# Allegro board LAY-31407_C2.brd (continued)
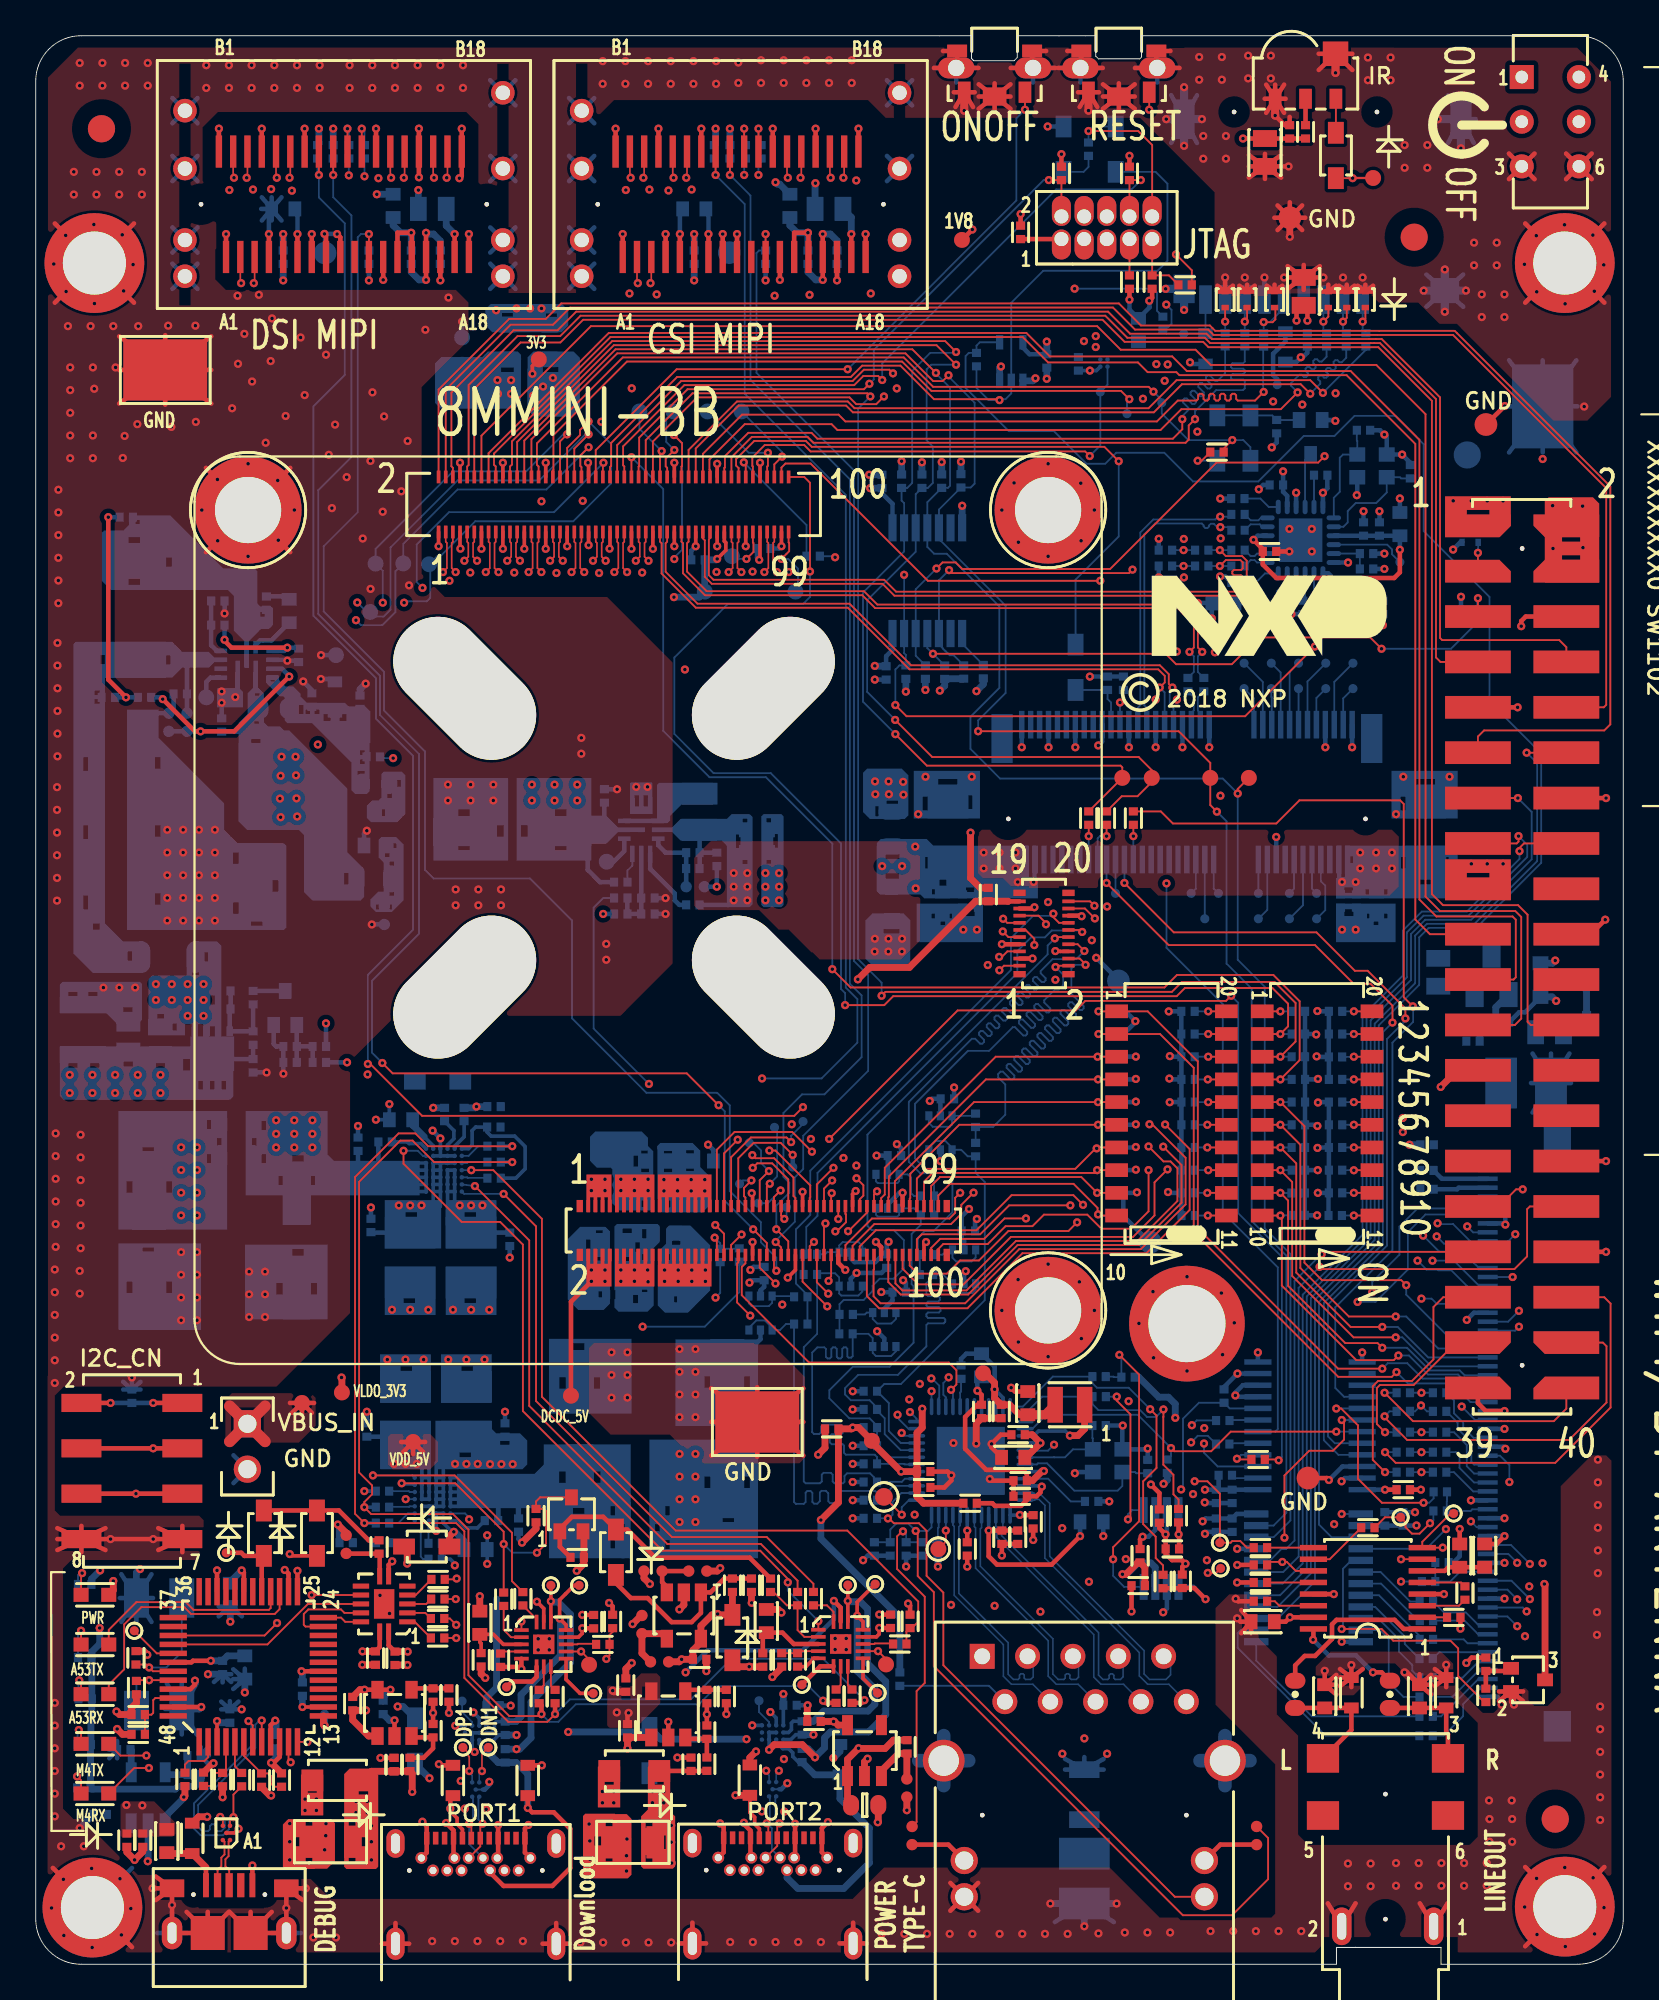
[diagram p0: board, top side]
## Routing (per net, layer and track width the routed paths; a pad name or vN(x,y) marks a point on that pad's centre or on a via; arc(x,y) is an arc through that point) (continued)
GND_CHASSIS: length 11.2
  BOTTOM w0.762: 49.45,11.4 J501.16 ; J501.16 50.85,10 ; J501.16 52.24,11.4 ; J501.16 50.85,12.8 ; 65.2,11.4 J501.15 ; J501.15 66.6,10 ; J501.15 66.6,12.8 ; J501.15 67.99,11.4
VBUS2_TH: length 10.6
  TOP w0.254: C341.1 R343.2 38.56,21.59 37.78,20.82 U311.1 37.25,19.67 36.73,19.15 35.61,19.15 34.26,20.5 33.32,20.5 32.49,21.33 D311.C
VBUS_DBG: length 3.5
  TOP w0.254: 9.53,5.43 J901.1
  TOP w0.381: L901.1 7.39,6.2 TVS901.2 9.53,5.43
VBUS_IN: length 13.5
  TOP w0.254: TP910.1 15.58,31.42 ; TP910.1 14.24,31.42 ; TP910.1 14.36,30.87 ; TP910.1 14.91,30.75 ; TP910.1 15.46,30.87
  TOP w0.635: 10.86,29.26 J101.1 ; J101.1 12.84,29.26 ; J101.1 12.84,31.24 ; J101.1 10.86,31.24
  L5_POWER_2 w0.635: J101.1 12.63,31.03 ; J101.1 11.08,31.03 ; J101.1 12.63,29.48
  BOTTOM w0.254: C105.1 11.43,68.99
  vias: v1(8.14,45.73) v1(8.14,44.46) v1(8.14,43.19) v1(8.14,41.92) v1(9.03,45.73) v1(9.03,44.46) v1(9.03,43.19) v1(9.03,41.92) v1(13.71,66.52) v1(13.68,65.25) v1(13.71,64.21) v1(13.77,67.59) v1(14.55,67.59) v1(14.58,66.55) v1(14.6,65.26) v1(14.64,64.25) v1(36.05,28.57) v1(36.05,27.3) v1(36.05,26.03) v1(36.05,24.76) v1(36.94,28.57) v1(36.94,27.3) v1(36.94,26.03) v1(36.94,24.76) v1(76.56,47.37) v1(76.56,46.58)
VBUS_USB_DBG: length 10.2
  TOP w0.203: U901.3 v1(10.15,13.61)
  TOP w0.254: U901.42 8.72,16.9 8.8,16.99 v1(9.8,16.99)
  TOP w0.381: v1(8.29,9.36) 8.36,9.42 R926.1 ; R924.1 v1(10.46,9.35) ; v1(4.56,13.17) 4.86,12.87 R904.1
  BOTTOM w0.381: v1(10.15,13.61) 10.25,13.52 C911.1 ; v1(8.29,9.36) 8.25,9.32 8.25,9.27 7.25,8.26 U903.1 ; C912.1 10.74,17.26 C910.1 v1(9.8,16.99)
  vias: v1(5.08,8.92) v1(5.97,8.89)
VCC: length 2.3
  TOP w0.254: J902.1 R920.2
VCC_3V3_FT: length 26.4
  TOP w0.203: U901.14 v1(14.94,14.4)
  TOP w0.254: v1(13.94,22.07) 14.16,21.86 U901.26 ; v1(13.18,11.28) 13.33,11.28 13.66,11.6 U901.10 ; U904.14 19.26,17.75 C915.1 ; v1(11.53,22.05) 11.65,21.92 U901.31
  TOP w0.381: R927.2 13.18,11.27 v1(13.18,11.28) ; C915.1 v1(18.3,17.51)
  BOTTOM w0.381: v1(13.18,11.28) 13.46,11.56 C914.1 ; R928.2 9.25,10.29 8.92,9.96 7.98,9.96 7.82,9.8 3.14,9.8 R903.2 3.07,12.27 R902.2 3.09,13.61 3.14,13.67 R915.2 3.14,17.14 R916.2 3.12,17.47 3.58,17.93 v1(3.58,18.82) ; C913.1 v1(14.94,14.4) ; C906.1 10.9,21.41 v1(11.53,22.05)
VCC_3V6: length 6.1
  TOP w0.254: v1(14.09,73.7) 10.96,73.7 10.57,74.08 v1(10.57,74.14)
  BOTTOM w0.254: R107.1 v1(10.57,74.14) ; C114.1 14.67,73.7 v1(14.09,73.7) 13.91,73.52 U101.9
VDD_1V8: length 122.6
  TOP w0.254: U904.1 19.76,17.86 C916.1 ; R917.1 v1(57.44,101.32) ; J801.A5 v1(13.86,96.85) ; J802.A5 v1(36.07,96.85) ; R918.1 v1(61.25,101.23) ; TP901.1 v1(52.45,97.1) ; J802.A6 v1(36.87,96.85) ; J801.A6 v1(14.66,96.85) ; R920.1 v1(55.15,97.97)
  TOP w0.381: C916.1 v1(20.83,17.5) ; v1(52.35,63.34) 52.35,60.8 52.89,60.25 R536.1
  L3_IN1 w0.381: v1(15.8,68.28) 15.8,58.78 9.98,52.96 9.98,33.86 14.1,29.74 14.1,24.59 17.22,21.46 17.22,19.4 19.12,17.5 v1(20.83,17.5)
  BOTTOM w0.254: v1(52.26,42.28) 51.85,41.87 C527.1 51.85,40.62 51.99,40.48 U507.5 ; U203.1 47.98,81.75 47.39,82.34 C219.1 ; v1(77.32,24.56) 77.32,24.56 C204.1 C201.1 U201.2 ; R805.1 v1(18.66,94.26) ; v1(50.07,48.33) 50.18,48.44 C525.1 50.66,48.43 U506.5 ; v1(14.66,96.85) 14.66,98.11 C801.1 ; v1(39.97,38.15) 40.1,38.29 C526.1 40.79,37.92 40.58,37.72 U505.5 ; C206.1 66.24,26.69 R209.1 ; C206.1 C205.1 U202.1 ; C206.1 v1(65.47,26.56) ; U503.5 45.64,39.51 45.85,39.3 47.01,39.3 47.45,39.73 C521.1 47.65,40.33 v1(47.76,40.44) ; D907.A v1(56.67,102.87) ; U204.5 55.28,90.49 55.65,90.12 C221.1 ; v1(47.35,37.63) 47.36,37.62 C522.1 47.98,37.15 47.52,36.7 U504.5 ; v1(47.09,45.26) C520.1 47.71,44.23 U502.5 ; v1(71.73,50.82) 71.76,50.79 R1101.2 ; C813.1 36.07,98.1 v1(36.07,96.85) ; R624.1 v1(75.52,78.96) ; R1107.2 72.41,50.79 R1101.2 ; R623.1 69.49,85.18 v1(69.22,84.91) ; v1(71.77,53.36) 71.79,53.34 R1103.2 R1105.2 72.41,52.07 R1101.2 ; v1(65.86,75.33) L602.1 v1(65.07,76.2) ; v1(76.39,82.05) L601.2 ; R604.1 v1(74.55,74.96) ; R802.1 v1(40.87,94.26)
  BOTTOM w0.381: R803.1 38.07,101.9 v1(38.07,102.75) ; R205.1 v1(49.62,84.07) ; C219.1 v1(46.73,82.63) ; R203.1 v1(50.73,84.09) ; v1(16.66,102.75) R801.1 ; R804.1 15.86,101.9 v1(15.86,102.75) ; R806.1 v1(38.87,102.75) ; R201.1 v1(48.49,84.13) ; R207.1 v1(51.81,84.11) ; R214.1 53.06,71.65 v1(52.68,71.26) ; v1(36.87,96.85) C805.1 ; C802.1 v1(13.86,96.85) ; C221.1 v1(56.62,90.83)
  vias: v1(35.21,38.86) v1(35.21,38.22) v1(35.98,38.86) v1(35.98,38.22) v1(36.74,38.86) v1(36.74,38.22) v1(37.5,38.86) v1(37.5,38.22)
VDD_3V3: length 68.8
  TOP w0.254: C403.1 69.99,19.18 v1(70.23,19.42) U401.15 ; R406.2 v1(67.28,21.37) ; R528.1 64.21,22.24 v1(64.39,22.42) 64.18,22.62 63.63,22.62 63.27,22.98 R527.1 63.27,24.06 v1(63.27,24.06) 62.92,24.41 C524.1 ; R344.1 48.96,20.08 v1(48.85,20.19) ; L401.2 v1(79.74,24.37) ; v1(6.58,31.42) J1004.1 ; C207.1 v1(75.56,26.56) ; R714.1 C707.1 C706.1 v1(67.6,102.2) ; v1(32.11,20.23) 32.31,20.03 R345.1 ; v1(4.19,31.42) J1004.2
  TOP w0.381: v1(25.17,16.03) 24.94,16.26 R349.1 ; R350.1 v1(39.95,16.65) 39.38,16.65 D310.A ; C506.1 55.46,28.37 v1(56.26,29.18) 55.8,29.64 C507.1
  BOTTOM w0.203: U501.4 v1(56.26,29.18)
  BOTTOM w0.254: R1135.2 72.4,43.16 R1117.2 ; R1123.2 64.16,50.79 R1125.2 ; R1123.2 R1121.2 R1119.2 63.45,53.34 v1(63.45,53.34) ; R1123.2 63.54,50.8 v1(63.51,50.83) ; v1(4.19,31.42) C1003.1 v1(6.58,31.42) ; R1127.2 R1125.2 ; R1127.2 63.51,48.26 v1(63.5,48.25) ; R1127.2 R1129.2 R1131.2 R1133.2 64.16,43.2 R1137.2 ; R1125.2 63.53,49.53 v1(63.48,49.58) ; U203.14 47.98,73.58 47.62,73.22 C220.1 ; U508.7 63.34,24.14 v1(63.27,24.06) ; R1004.2 79.38,22.49 79.74,22.85 v1(79.74,24.37) ; C207.1 v1(75.56,26.56) U202.24 ; R1113.2 R1111.2 R1109.2 71.83,48.26 v1(71.8,48.24) ; R1113.2 71.8,45.72 v1(71.78,45.7) ; R1113.2 R1115.2 R1117.2 ; R1137.2 63.45,43.18 v1(63.41,43.23) ; R1137.2 64.16,43.17 R1138.2 ; R134.1 v1(17.43,50.48) ; U202.23 73.31,27.21 v1(73.13,27.03) ; L501.1 v1(59.78,23.96) ; v1(65.34,24.79) 65.5,24.95 C203.1 C202.1 67.25,25.21 U201.24 ; R603.1 v1(75.44,74.96) ; R1117.2 v1(71.8,43.18) ; R113.1 v1(31.78,58.79)
  BOTTOM w0.381: R713.1 3.12,21.56 v1(3.61,22.05) ; C220.1 47.01,72.66 v1(46.99,72.68) ; R202.1 v1(48.73,71.24) ; R206.1 v1(49.82,71.33) ; v1(50.63,71.29) 50.9,71.56 R204.1 50.91,71.96 R208.1 ; v1(63.16,26.89) 63.36,27.1 R506.1
  vias: v1(25.86,88.67) v1(25.89,87.91) v1(26.62,88.67) v1(26.62,87.9) v1(35.18,43.92) v1(35.18,43.29) v1(35.94,43.92) v1(35.94,43.29) v1(36.7,43.92) v1(36.7,43.29) v1(37.46,43.92) v1(37.46,43.29) v1(47,66.21) v1(47.02,65.49) v1(47.76,66.21) v1(47.78,65.49) v1(48.57,66.19) v1(48.59,65.47) v1(62.75,89.57) v1(63.22,88.64) v1(63.39,89.55)
VDD_5V: length 44.1
  TOP w0.203: U303.12 30.39,18.31 30.61,18.52 v1(30.61,18.81) ; v1(47.23,18.83) 47.23,18.49 47.08,18.33 U306.12
  TOP w0.254: v1(33.2,14.07) 33.14,14.01 R320.1 ; C320.2 v1(30.61,18.81) ; R318.1 v1(38.67,14) ; J802.A17 v1(45.67,96.85) ; 21.13,28.56 TP102.1 ; TP102.1 21.81,29.24 ; TP102.1 21.69,28.68 ; TP102.1 20.46,29.24 ; TP102.1 20.58,28.68 ; C336.2 v1(47.23,18.83) ; R304.1 v1(23.14,14.07) ; J801.A17 v1(23.46,96.85) ; J802.A16 v1(44.87,94.26) ; v1(19.86,15.37) U301.5 v1(18.41,15.37) ; J801.A16 v1(22.66,94.26)
  TOP w0.381: v1(32.31,15.32) 32.37,15.25 C343.1 ; R307.1 18.16,15.37 v1(18.41,15.37)
  BOTTOM w0.203: 21.63,28.74 U302.G2 ; U302.G2 U302.F2 U302.E2 U302.D2 U302.D3 U302.E3 U302.F3 U302.G3 ; U302.G2 U302.G3 ; 23.46,41.75 U305.G2 ; U305.G2 U305.G3 ; U305.G2 U305.F2 U305.E2 U305.D2 U305.D3 U305.E3 U305.F3 U305.G3 ; U302.G3 22.03,29.14 ; U305.G3 23.06,41.35
  BOTTOM w0.254: C159.1 C141.1 10.02,50.67 Q101.5 ; C313.1 C311.1 ; C807.1 v1(44.87,94.26) ; C329.1 C327.1 ; C804.1 v1(22.66,94.26)
  BOTTOM w0.381: C342.1 19.46,14.96 v1(19.86,15.37) ; C812.1 22.99,97.32 v1(23.46,96.85) ; v1(45.67,96.85) 45.67,97.79 C815.1
  vias: v1(1.91,49.78) v1(1.91,48.77) v1(3.17,49.78) v1(3.17,48.77) v1(4.45,49.78) v1(4.45,48.77) v1(5.71,49.78) v1(5.71,48.77) v1(6.99,49.78) v1(6.99,48.77) v1(20.07,28.01) v1(20.7,28.01) v1(21.34,28.01) v1(23.75,42.48) v1(24.38,42.48) v1(25.02,42.48) v1(32.54,14.1) v1(84.94,81.64) v1(84.96,79.25) v1(86.62,81.62) v1(86.64,79.29)
VDDEXT_3V3: length 5.7
  TOP w0.203: TP104.1 27.81,89.47 v1(27.81,89.03)
  BOTTOM w0.254: R110.1 L102.2 ; R110.1 C118.1 ; R110.1 C121.1 ; C122.2 38.83,59.3
  vias: v1(27.86,87.8) v1(28.41,88.31) v1(28.96,88.8) v1(39.09,61.08) v1(39.09,60.32) v1(39.09,59.55) v1(39.85,61.08) v1(39.85,60.32) v1(39.85,59.55) v1(46.99,57.4) v1(46.98,56.69) v1(47.75,57.4) v1(47.74,56.69) v1(48.51,57.4) v1(48.5,56.69)
3483_EN_SNK1: length 18.7
  TOP w0.102: v1(20.49,26.92) 23.49,26.92 26.21,24.21 v1(26.21,23.52) R342.2 ; Q301.3 28.24,26.14 28.02,25.91 R333.1 28.46,25.49 28.57,25.37 28.57,23.55 v1(28.07,23.04)
  BOTTOM w0.102: v1(26.21,23.52) 26.69,23.04 v1(28.07,23.04) ; U302.F1 20.58,26.84 v1(20.49,26.92)
3483_EN_SNK2: length 34
  TOP w0.102: v1(24.59,43.56) 27.64,40.52 27.64,31.26 35.37,23.53 40.61,23.53 42.66,21.47 R335.2
  BOTTOM w0.102: U305.F1 v1(24.59,43.56)
AUD_NMUTE: length 14.2
  TOP w0.102: U401.11 70.56,22.02 70.06,22.52 v1(69.81,22.52) 69.12,22.52 R405.1 ; v1(69.93,23.88) 69.93,27.36 71.31,28.74 72.64,28.74 73.26,29.36 73.26,30.34 v1(73.13,30.46)
  L3_IN1 w0.127: v1(69.81,22.52) 69.93,22.64 v1(69.93,23.88)
  BOTTOM w0.102: U202.18 v1(73.13,30.46)
AUD_NMUTE_LV: length 104.9
  TOP w0.102: v1(61.24,87.6) 60.78,88.07 50.16,88.07 48.51,89.71 33.11,89.71 28.99,85.6 28.99,83.64 28.96,83.61 J201.34
  L3_IN1 w0.127: v1(61.24,87.6) 61.8,87.05 62.85,87.05 65.78,84.11 65.78,83.41 60.97,78.61 60.97,75.17 61.91,74.23 61.91,61.91 v1(63.32,60.5)
  BOTTOM w0.102: TP222.1 61.11,87.47 v1(61.24,87.6) ; v1(63.32,60.5) 63.32,56.9 66.47,53.75 66.47,42.09 69.56,39 69.56,29.96 69.41,29.81 U202.6
BOOT_MODE0: length 51.7
  TOP w0.102: v1(59.61,77.44) 49.96,77.44 43.39,84 41.98,84 41.76,83.78 J201.98 ; SW1101.1 v1(69.7,53.34)
  L3_IN1 w0.127: v1(69.7,53.34) 68.78,53.34 60.76,61.36 60.76,69.75 59.61,70.89 v1(59.61,77.44)
  BOTTOM w0.102: R1104.1 v1(69.7,53.34)
BOOT_MODE1: length 71.1
  TOP w0.102: SW1101.2 v1(69.7,52.07) 70.13,52.5 70.13,53.77 69.25,54.65 64.35,54.65 63.89,54.19 48.02,54.19 47.52,53.69 v1(45.32,53.69) ; v1(43.36,77.96) 43.36,82.93 43.03,83.25 J201.100
  BOTTOM w0.102: v1(45.32,53.69) 45.32,54.36 45.09,54.59 45.09,62.74 41.16,66.67 37.96,66.67 35.76,68.88 35.76,73.14 38.76,76.14 42.97,76.14 43.36,76.53 v1(43.36,77.96) ; R1106.1 v1(69.7,52.07)
BT_DEV_WAKE: length 3.5
  BOTTOM w0.102: TP614.1 68.97,59.02 J601.20
BYPASS1: length 1.2
  TOP w0.102: C318.2 26.15,17.51 U303.4
BYPASS2: length 2.1
  TOP w0.102: C332.2 R327.2 42.78,17.53 U306.4
CLKIN1: length 5.7
  TOP w0.102: J201.94 40.96,83.84 41,83.88 v1(41,84.61)
  BOTTOM w0.102: TP207.1 39.93,84.61 v1(41,84.61)
CLKIN2: length 4.8
  TOP w0.102: J201.96 41.36,83.96 v1(41.79,84.39)
  BOTTOM w0.102: v1(41.79,84.39) 41.79,84.39 41.79,84.65 TP208.1
CLKO1: length 71.5
  TOP w0.102: J802.B8 v1(38.07,100.16) ; J202.40 38.54,40.89 v1(38.05,41.38)
  L3_IN1 w0.127: v1(40.67,49.58) 40.67,49.47 38.36,47.16 38.36,41.69 v1(38.05,41.38)
  BOTTOM w0.102: v1(40.67,49.58) 44.01,49.58 46.01,51.59 46.01,54.02 45.36,54.67 45.36,82.25 39.7,87.91 39.7,98.52 v1(38.07,100.16) 38.07,101 R803.2
CLKOUT1: length 4.2
  TOP w0.102: v1(35.05,84.7) 34.96,84.61 J201.64
  BOTTOM w0.102: TP205.1 33.81,85.94 v1(35.05,84.7)
CLKOUT2: length 4.3
  TOP w0.102: J201.66 35.36,83.77 35.28,83.85 35.28,84.28 v1(35.76,84.76)
  BOTTOM w0.102: TP206.1 35.31,86.51 35.31,85.21 v1(35.76,84.76)
CSI_CKN: length 19.9
  TOP w0.089: v1(33.72,94.1) 33.67,94.15 J802.A2 ; v1(31.2,78.56) 31.43,78.78 31.43,79.56 31.36,79.62 J201.45
  L3_IN1 w0.089: v1(31.2,78.56) 31.43,78.79 31.43,80.12 33.9,82.59 33.9,93.92 v1(33.72,94.1)
CSI_CKP: length 20
  TOP w0.089: J802.A3 34.47,94.15 v1(34.43,94.1) ; J201.47 31.76,79.62 31.69,79.56 31.69,78.79 v1(31.92,78.56)
  L3_IN1 w0.089: v1(34.43,94.1) 34.16,93.84 34.16,82.48 31.69,80.01 31.69,78.79 v1(31.92,78.56)
CSI_DN0: length 26.7
  TOP w0.089: J802.B2 33.27,100.05 v1(33.32,100) ; J201.33 28.96,79.62 29.03,79.56 29.03,78.78 v1(28.8,78.56)
  L3_IN1 w0.089: v1(28.8,78.56) 29.03,78.79 29.03,87.87 31.43,90.28 31.43,96.58 33.55,98.7 33.55,99.76 v1(33.32,100)
CSI_DN1: length 28.5
  TOP w0.089: v1(35.72,100) 35.67,100.05 J802.B5 ; v1(30,77.93) 30.23,78.15 30.23,79.56 30.16,79.62 J201.39
  L3_IN1 w0.089: v1(35.72,100) 35.92,99.8 35.92,98.88 32.48,95.45 32.48,82.64 30.23,80.39 30.23,78.15 v1(30,77.93)
CSI_DN2: length 30.1
  TOP w0.089: v1(32.4,77.93) 32.63,78.15 32.63,79.56 32.56,79.62 J201.51 ; J802.B13 42.07,100.05 v1(42.12,100)
  L3_IN1 w0.089: v1(32.4,77.93) 32.63,78.15 32.63,79.99 36.16,83.53 36.16,90.64 42.35,96.83 42.35,99.76 v1(42.12,100)
CSI_DN3: length 30.1
  TOP w0.089: v1(44.52,100) 44.47,100.05 J802.B16 ; v1(33.6,78.56) 33.83,78.79 33.83,79.56 33.76,79.62 J201.57
  L3_IN1 w0.089: v1(33.6,78.56) 33.83,78.79 33.83,79.81 35.44,81.43 36.73,81.43 38.81,83.51 38.81,90.26 44.74,96.19 44.74,99.78 v1(44.52,100)
CSI_DP0: length 26.7
  TOP w0.089: v1(29.52,78.56) 29.29,78.79 29.29,79.56 29.36,79.62 J201.35 ; v1(34.03,100) 34.07,100.04 J802.B3
  L3_IN1 w0.089: v1(29.52,78.56) 29.29,78.79 29.29,87.76 31.7,90.17 31.7,96.47 33.82,98.59 33.82,99.79 v1(34.03,100)
CSI_DP1: length 28.5
  TOP w0.089: v1(36.43,100) 36.47,100.05 J802.B6 ; J201.41 30.56,79.62 30.49,79.56 30.49,78.15 v1(30.72,77.93)
  L3_IN1 w0.089: v1(36.43,100) 36.18,99.76 36.18,98.77 32.75,95.34 32.75,82.53 30.49,80.28 30.49,78.15 v1(30.72,77.93)
CSI_DP2: length 30.1
  TOP w0.089: J201.53 32.96,79.62 32.89,79.56 32.89,78.15 v1(33.11,77.93) ; J802.B14 42.87,100.05 v1(42.83,100)
  L3_IN1 w0.089: v1(33.11,77.93) 32.89,78.15 32.89,79.88 36.43,83.42 36.43,90.53 42.62,96.72 42.62,99.79 v1(42.83,100)
CSI_DP3: length 30.1
  TOP w0.089: J201.59 34.16,79.62 34.09,79.56 34.09,78.78 v1(34.32,78.56) ; v1(45.23,100) 45.27,100.05 J802.B17
  L3_IN1 w0.089: v1(45.23,100) 45,99.78 45,96.08 39.07,90.15 39.07,83.4 36.84,81.16 35.55,81.16 34.09,79.7 34.09,78.78 v1(34.32,78.56)
CSI_I2C_SCL: length 2.3
  TOP w0.102: J802.B11 v1(40.47,102.75)
  BOTTOM w0.102: R809.1 40.47,101.98 v1(40.47,102.75)
CSI_I2C_SDA: length 2.2
  TOP w0.102: J802.B10 v1(39.67,102.75)
  BOTTOM w0.102: R807.1 39.67,101.9 v1(39.67,102.75)
CSI_NRST: length 69
  TOP w0.102: v1(41.47,41.14) 42.14,40.47 J202.58 ; J802.B9 v1(38.87,100.16)
  BOTTOM w0.102: R806.2 v1(38.87,100.16) 40.02,99 40.02,88.68 45.59,83.12 45.59,54.88 46.25,54.23 46.25,50.77 44.17,48.69 42.91,48.69 41.87,47.65 41.87,44.08 42.19,43.76 42.19,43.19 41.47,42.47 v1(41.47,41.14)
CSI_PWDN: length 63.7
  TOP w0.102: v1(41.44,40.43) 41.74,40.12 J202.56 ; J802.A11 v1(40.87,96.85)
  BOTTOM w0.102: v1(41.44,40.43) 41.44,40.49 42.51,41.57 42.51,44.05 42.98,44.51 42.98,46.37 46.61,50.01 46.61,55.37 45.82,56.16 45.82,83.62 40.36,89.08 40.36,95.78 40.5,95.93 R802.2 v1(40.87,96.85)
DCDC_5V: length 13.4
  TOP w0.254: v1(31.12,38.23) 29.97,37.08 TP101.1
  BOTTOM w0.254: C116.1 31.85,64.06 ; R112.1 31.6,60.57 30.91,61.26 30.91,63.5 29.33,63.5
  vias: v1(6.73,54.86) v1(6.73,53.98) v1(7.62,54.86) v1(7.62,53.98) v1(8.51,54.86) v1(8.51,53.98) v1(8.51,53.09) v1(9.4,54.86) v1(9.4,53.98) v1(9.4,53.09) v1(27.78,66.03) v1(27.78,65.14) v1(29.05,66.03) v1(29.05,65.14) v1(30.32,66.03) v1(30.32,65.14) v1(31.12,43.94) v1(31.12,43.31) v1(31.12,38.86) v1(31.88,43.94) v1(31.88,43.31) v1(31.88,38.86) v1(31.88,38.23)
DEBUG_ACCESS1: length 3
  TOP w0.203: TP311.1 30.48,15.16 29.7,15.95 U303.9
DEBUG_ACCESS2: length 2.3
  TOP w0.203: U306.9 46.33,16.01 TP313.1
DSI_BL_PWM: length 91.1
  TOP w0.102: J801.B8 v1(15.86,100.16) ; v1(42.96,47.98) 42.48,47.49 21.64,47.49 18.73,50.39 v1(18.6,50.39) ; J202.64 43.34,40.2 v1(43.58,40.44)
  L3_IN1 w0.127: v1(43.58,40.44) 43.58,44.09 42.96,44.71 v1(42.96,47.98)
  BOTTOM w0.102: v1(18.6,50.39) 18.6,55.38 21.13,57.91 21.13,67.64 19.05,69.72 19.05,71.98 15.55,75.49 15.55,87.2 17.31,88.96 17.31,97.45 15.86,98.9 v1(15.86,100.16) 15.78,100.23 R804.2
DSI_CKN: length 31.3
  TOP w0.089: J201.15 25.36,79.62 25.43,79.56 25.43,78.15 v1(25.2,77.93) ; J801.A2 11.46,94.15 v1(11.5,94.1)
  L3_IN1 w0.089: v1(11.5,94.1) 11.72,93.88 11.72,92.12 13.86,89.98 14.2,89.98 14.41,90.19 14.52,90.19 14.6,90.11 14.6,90 14.38,89.79 14.38,89.45 14.62,89.22 14.95,89.22 15.16,89.43 15.27,89.43 15.35,89.35 15.35,89.24 15.14,89.03 15.14,88.7 15.37,88.46 15.71,88.46 15.92,88.68 16.03,88.68 16.11,88.6 16.11,88.49 15.9,88.28 15.9,87.94 16.13,87.71 16.46,87.71 16.67,87.92 16.78,87.92 16.86,87.84 16.86,87.73 16.65,87.52 16.65,87.19 16.88,86.95 17.31,86.95 17.48,87.12 17.59,87.12 17.67,87.04 17.67,86.93 17.45,86.72 17.45,86.39 21.85,81.99 23.85,81.99 25.43,80.42 25.43,78.15 v1(25.2,77.93)
DSI_CKP: length 31.3
  TOP w0.089: v1(12.21,94.1) 12.26,94.15 J801.A3 ; J201.17 25.76,79.62 25.69,79.56 25.69,78.15 v1(25.92,77.93)
  L3_IN1 w0.089: v1(25.92,77.93) 25.69,78.15 25.69,80.53 23.96,82.26 21.96,82.26 17.72,86.5 17.72,86.61 17.93,86.82 17.93,87.15 17.7,87.39 17.37,87.39 17.2,87.22 17,87.22 16.92,87.3 16.92,87.41 17.13,87.62 17.13,87.95 16.89,88.19 16.56,88.19 16.35,87.98 16.24,87.98 16.16,88.05 16.16,88.16 16.37,88.38 16.37,88.71 16.14,88.94 15.81,88.94 15.6,88.73 15.48,88.73 15.41,88.81 15.41,88.92 15.62,89.13 15.62,89.46 15.38,89.7 15.05,89.7 14.84,89.49 14.73,89.49 14.65,89.56 14.65,89.68 14.86,89.89 14.86,90.22 14.63,90.45 14.3,90.45 14.08,90.24 13.97,90.24 11.99,92.23 11.99,93.88 v1(12.21,94.1)
DSI_DN0: length 34.1
  TOP w0.089: v1(11.1,100) 11.06,100.05 J801.B2 ; J201.3 22.96,79.62 23.03,79.56 23.03,78.15 v1(22.8,77.93)
  L3_IN1 w0.089: v1(22.8,77.93) 23.03,78.15 23.03,79.77 22.77,80.02 19.65,80.02 9.66,90.01 9.66,95.03 11.3,96.67 11.3,99.8 v1(11.1,100)
DSI_DN1: length 33.3
  TOP w0.089: v1(13.5,100) 13.46,100.05 J801.B5 ; v1(24,78.56) 24.23,78.79 24.23,79.56 24.16,79.62 J201.9
  L3_IN1 w0.089: v1(24,78.56) 24.23,78.79 24.23,80.2 23.38,81.04 20.64,81.04 10.59,91.09 10.59,94.48 12.18,96.07 12.18,97.42 13.68,98.92 13.68,99.82 v1(13.5,100)
DSI_DN2: length 28.3
  TOP w0.089: J201.21 26.56,79.62 26.63,79.56 26.63,78.78 v1(26.4,78.56) ; J801.B13 19.86,100.05 v1(19.9,100)
  L3_IN1 w0.089: v1(26.4,78.56) 26.63,78.79 26.63,80.62 24.32,82.92 24.32,90.29 21.31,93.29 21.01,93.29 20.85,93.14 20.52,93.14 20.28,93.37 20.28,93.7 20.44,93.86 20.44,93.97 20.13,94.28 20.13,99.77 v1(19.9,100)
DSI_DN3: length 28.4
  TOP w0.089: v1(22.3,100) 22.26,100.05 J801.B16 ; J201.27 27.76,79.62 27.83,79.56 27.83,78.15 v1(27.6,77.93)
  L3_IN1 w0.089: v1(27.6,77.93) 27.83,78.15 27.83,81.04 27.46,81.41 27.26,81.41 25.06,83.61 25.06,93.03 22.54,95.55 22.54,99.76 v1(22.3,100)
DSI_DP0: length 34.2
  TOP w0.089: v1(23.52,77.93) 23.29,78.15 23.29,79.56 23.36,79.62 J201.5 ; v1(11.81,100) 11.86,100.04 J801.B3
  L3_IN1 w0.089: v1(11.81,100) 11.57,99.76 11.57,96.56 9.93,94.92 9.93,90.12 19.76,80.29 22.89,80.29 23.29,79.88 23.29,78.15 v1(23.52,77.93)
DSI_DP1: length 33.4
  TOP w0.089: v1(24.72,78.56) 24.49,78.79 24.49,79.56 24.56,79.62 J201.11 ; J801.B6 14.26,100.05 v1(14.21,100)
  L3_IN1 w0.089: v1(24.72,78.56) 24.49,78.79 24.49,80.31 23.5,81.31 20.75,81.31 10.86,91.2 10.86,94.37 12.45,95.96 12.45,97.31 13.94,98.81 13.94,99.73 v1(14.21,100)
DSI_DP2: length 28.3
  TOP w0.089: J801.B14 20.66,100.05 v1(20.61,100) ; v1(27.12,78.56) 26.89,78.79 26.89,79.56 26.96,79.62 J201.23
  L3_IN1 w0.089: v1(27.12,78.56) 26.89,78.79 26.89,80.73 24.59,83.03 24.59,90.4 21.43,93.56 20.9,93.56 20.74,93.4 20.63,93.4 20.55,93.48 20.55,93.59 20.71,93.75 20.71,94.08 20.4,94.39 20.4,99.78 v1(20.61,100)
DSI_DP3: length 28.4
  TOP w0.089: J201.29 28.16,79.62 28.09,79.56 28.09,78.15 v1(28.32,77.93) ; v1(23.01,100) 23.06,100.05 J801.B17
  L3_IN1 w0.089: v1(28.32,77.93) 28.09,78.15 28.09,81.15 27.57,81.67 27.37,81.67 25.32,83.72 25.32,93.14 22.81,95.66 22.81,99.8 v1(23.01,100)
DSI_EN: length 78.5
  TOP w0.102: v1(41.47,38.82) 41.34,38.95 J202.54 ; J801.A11 v1(18.66,96.85)
  BOTTOM w0.102: R805.2 v1(18.66,96.85) 18.21,96.85 18.03,96.67 18.03,81.28 16.13,79.38 16.13,75.72 19.51,72.34 19.51,70.18 21.79,67.89 21.79,61.26 22.28,60.78 27.69,60.78 30.03,58.43 30.03,52.95 34.2,48.78 38.16,48.78 38.87,48.07 38.87,43.28 40.61,41.54 40.61,40.41 41.47,39.55 v1(41.47,38.82)
DSI_TS_NINT: length 86.1
  TOP w0.102: J801.B9 v1(16.66,100.16) ; v1(19.41,50.45) 19.99,49.87 36.46,49.87 v1(38.24,48.09) ; v1(40.18,41.14) 40.94,40.37 J202.52
  BOTTOM w0.102: v1(19.41,50.45) 18.83,51.03 18.83,55.05 21.46,57.68 21.46,67.75 19.28,69.93 19.28,72.12 15.82,75.58 15.82,82.51 17.68,84.37 17.68,97.89 16.66,98.91 v1(16.66,100.16) R801.2 ; v1(40.18,41.14) 38.59,42.73 38.59,47.74 v1(38.24,48.09)
DSI_TS_SCL: length 2.3
  TOP w0.102: J801.B11 v1(18.26,102.75)
  BOTTOM w0.102: v1(18.26,102.75) 18.41,102.6 R810.1
DSI_TS_SDA: length 2.2
  TOP w0.102: J801.B10 v1(17.46,102.75)
  BOTTOM w0.102: v1(17.46,102.75) 17.53,102.67 R808.1
ECSPI2_MISO: length 95.7
  TOP w0.102: J201.16 25.36,84.58 32.09,91.31 55.47,91.31 56.79,90 63.64,90 64.46,89.18 73.63,89.18 77.48,85.33 77.48,59.6 78.44,58.65 82.7,58.65 82.88,58.47 82.88,55.25 82.75,55.12 J1003.21
ECSPI2_MOSI: length 88.6
  TOP w0.102: J201.18 25.76,83.84 25.66,83.93 25.66,84.56 32.18,91.08 55.27,91.08 56.69,89.66 61.72,89.66 62.27,89.12 63.87,89.12 64.04,88.95 73.41,88.95 77.25,85.1 77.25,58.48 78.07,57.66 J1003.19
ECSPI2_SCLK: length 100.9
  TOP w0.102: J1003.23 82.83,52.58 83.19,52.93 83.19,58.62 82.85,58.95 78.64,58.95 77.83,59.77 77.83,86.77 75.07,89.52 65.8,89.52 64.95,90.37 60.76,90.37 59.44,91.69 31.09,91.69 24.96,85.56 J201.14
ECSPI2_SS0: length 103.7
  TOP w0.102: J1003.24 83.72,52.58 83.54,52.76 83.54,58.75 83.01,59.28 78.8,59.28 78.18,59.9 78.18,87.52 75.18,90.52 65.67,90.52 65.37,90.82 60.98,90.82 59.74,92.05 30.65,92.05 29.38,90.78 27.15,90.78 24.56,88.19 J201.12
EN_SNK1: length 2.5
  TOP w0.102: U303.2 26.62,18.31 26.21,18.72 R342.1
EN_SNK2: length 4.5
  TOP w0.102: R360.1 41.32,20.84 42.06,20.09 R335.1 42.66,18.7 43.04,18.33 U306.2
EN_SRC1: length 15.1
  TOP w0.102: v1(18.88,27.36) 23.46,27.36 26.67,24.16 26.67,21.44 R332.2
  BOTTOM w0.102: U302.G1 21.1,27.36 v1(18.88,27.36)
EN_SRC2: length 35
  TOP w0.102: v1(26.2,43.12) 28.02,41.31 28.02,31.53 35.63,23.91 40.93,23.91 43.55,21.3 R334.2
  BOTTOM w0.102: U305.G1 23.99,43.12 v1(26.2,43.12)
ENET_AVDD33: length 10.7
  TOP w0.254: C503.1 C501.1 v1(53.36,24.28) 53.36,22.84 53.83,22.37 56.89,22.37 v1(58.48,23.96)
  BOTTOM w0.203: U501.16 v1(53.36,24.28)
  BOTTOM w0.254: L501.2 v1(58.48,23.96)
ENET_AVDDL_1V1: length 15.2
  TOP w0.254: v1(52.73,32.11) 52.96,31.87 C512.1 52.73,31.32 52.04,30.63 52.04,28.85 53.23,27.67 55.28,27.67 55.5,27.45 C513.1 ; v1(55.11,25.15) 55.12,25.14 C511.1 ; C510.1 v1(52.16,24.28)
  TOP w0.381: v1(56.45,27.61) 56.36,27.61 55.82,27.07 C513.1
  BOTTOM w0.203: U501.13 55.1,25.14 v1(55.11,25.15) ; U501.44 52.96,31.87 v1(52.73,32.11) ; v1(56.45,27.61) 56.36,27.61 56.33,27.58 U501.8 ; U501.19 v1(52.16,24.28)
  BOTTOM w0.254: v1(52.73,32.11) 52.73,32.65 L503.1
ENET_DVDDL_1V1: length 10.8
  TOP w0.381: TP504.1 53.16,33.08 53.7,32.55 v1(53.7,32.18) 53.7,31.68 C509.1 54.54,31.32 55.09,30.76 C508.1
  TOP w0.508: C508.1 56.53,30.76 L502.2
  BOTTOM w0.203: v1(53.7,32.18) 54.16,31.71 U501.47
  BOTTOM w0.254: v1(53.7,32.18) 53.7,33.45 L503.2 52.11,34.18 51.82,33.88 R509.1
ENET_LX: length 5.1
  TOP w0.381: L502.1 58.74,29.97 58.36,29.59 v1(57.91,29.59)
  BOTTOM w0.203: U501.3 55.88,29.58 56.15,29.84 57.66,29.84 v1(57.91,29.59)
ENET_MDC: length 40.8
  TOP w0.102: v1(59.31,58.54) 58.75,59.1 J203.18 ; v1(60.54,31.77) 60.54,31.55 61.3,30.78 61.3,25.04 v1(61.16,24.9)
  L6_IN2 w0.127: v1(59.31,58.54) 59.97,57.88 59.97,55.63 56.76,52.42 56.76,41.69 60,38.45 60,32.31 v1(60.54,31.77)
  BOTTOM w0.102: R511.1 v1(60.54,31.77) ; v1(61.16,24.9) 61.16,25.19 61.4,25.42 U508.5
ENET_MDIO: length 47.6
  TOP w0.102: v1(59.28,59.25) 59.04,59.5 J203.20 ; v1(60.68,34.11) 61.79,33.01 61.79,24.8 60.33,23.34 v1(60.33,22.67)
  L6_IN2 w0.127: v1(60.68,34.11) 60.68,38.22 57.13,41.77 57.13,52.13 60.4,55.4 60.4,58.13 v1(59.28,59.25)
  BOTTOM w0.102: v1(60.68,34.11) 60.79,34 R508.2 60.38,32.87 60.35,32.89 R512.1 ; U508.4 60.95,21.12 60.33,21.74 v1(60.33,22.67)
ENET_NINT: length 25
  TOP w0.102: J202.50 40.54,38.99 v1(41.43,38.11)
  L3_IN1 w0.127: v1(57.02,29.08) 56.48,29.62 50.94,29.62 50.55,29.23 48.2,29.23 45.93,31.5 45.33,31.5 42.3,34.53 42.3,37.23 v1(41.43,38.11)
  BOTTOM w0.102: U501.5 56.05,28.78 56.09,28.75 56.69,28.75 v1(57.02,29.08)
ENET_NRST: length 21.2
  TOP w0.102: v1(63.57,28.89) 63.75,28.72 65.82,28.72 66.92,29.81 v1(72.83,29.81)
  BOTTOM w0.102: R506.2 63.57,28.46 v1(63.57,28.89) 61.71,30.76 56.59,30.76 55.81,29.98 U501.2 ; U202.19 v1(72.83,29.81)
ENET_NRST_LV: length 33.5
  TOP w0.102: J202.79 46.54,42.07 45.51,41.03 v1(45.49,41.03)
  L3_IN1 w0.127: v1(45.49,41.03) 43.88,39.42 43.88,36.32 45.21,34.99 50.18,34.99 52.22,32.95 52.22,31.67 52.85,31.04 59.24,31.04 60.94,29.34 64.57,29.34 v1(64.7,29.21)
  BOTTOM w0.102: v1(64.7,29.21) 65.07,29.58 65.63,29.58 R212.1
ENET_RD0: length 30
  TOP w0.102: v1(58.72,56.72) 58.35,57.1 J203.8